# KiCad board modern-keyboard.kicad_pcb (continued)
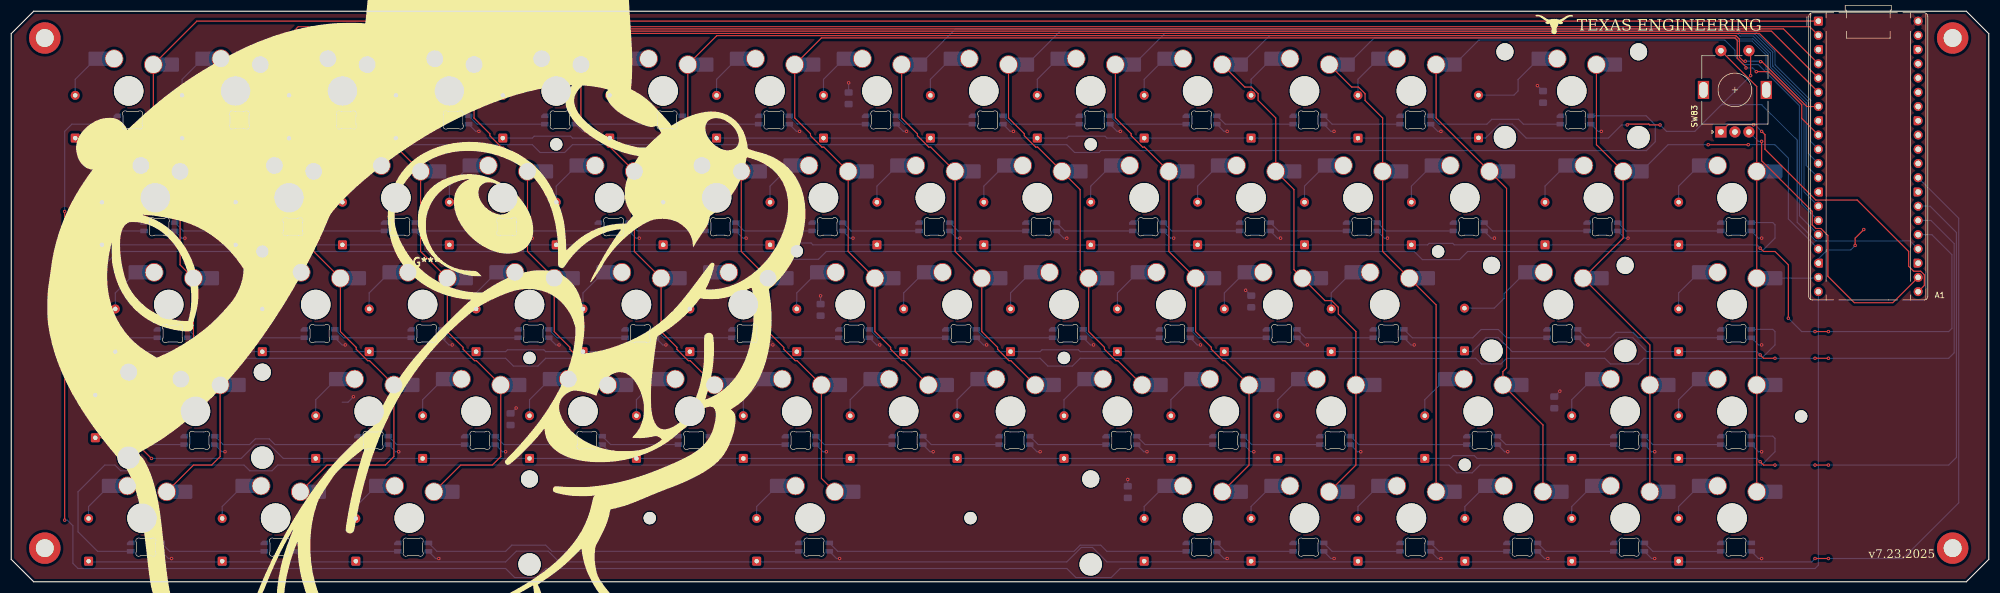
[diagram p0: board, top side]
## Nets
+3V3: A1.37
+5V: A1.40 C1.1 C2.1 C3.1 C4.1 C5.1 C6.1 C7.1 C8.1 LED1.1 LED2.1 LED3.1 LED4.1 LED5.1 LED6.1 LED7.1 LED8.1 LED9.1 LED10.1 LED11.1 LED12.1 LED13.1 LED14.1 LED15.1 LED16.1 LED17.1 LED18.1 LED19.1 LED20.1 LED21.1 LED22.1 LED23.1 LED24.1 LED25.1 LED26.1 LED27.1 LED28.1 LED29.1 LED30.1 LED31.1 LED32.1 LED33.1 LED34.1 LED35.1 LED36.1 LED37.1 LED38.1 LED39.1 LED40.1 LED41.1 LED42.1 LED43.1 LED44.1 LED45.1 LED46.1 LED47.1 LED48.1 LED49.1 LED50.1 LED51.1 LED52.1 LED53.1 LED54.1 LED55.1 LED56.1 LED57.1 LED58.1 LED59.1 LED60.1 LED61.1 LED62.1 LED63.1 LED64.1 LED65.1 LED66.1 LED67.1
GND: A1.3 A1.8 A1.13 A1.18 A1.23 A1.28 A1.38 C1.2 C2.2 C3.2 C4.2 C5.2 C6.2 C7.2 C8.2 LED1.4 LED2.4 LED3.4 LED4.4 LED5.4 LED6.4 LED7.4 LED8.4 LED9.4 LED10.4 LED11.4 LED12.4 LED13.4 LED14.4 LED15.4 LED16.4 LED17.4 LED18.4 LED19.4 LED20.4 LED21.4 LED22.4 LED23.4 LED24.4 LED25.4 LED26.4 LED27.4 LED28.4 LED29.4 LED30.4 LED31.4 LED32.4 LED33.4 LED34.4 LED35.4 LED36.4 LED37.4 LED38.4 LED39.4 LED40.4 LED41.4 LED42.4 LED43.4 LED44.4 LED45.4 LED46.4 LED47.4 LED48.4 LED49.4 LED50.4 LED51.4 LED52.4 LED53.4 LED54.4 LED55.4 LED56.4 LED57.4 LED58.4 LED59.4 LED60.4 LED61.4 LED62.4 LED63.4 LED64.4 LED65.4 LED66.4 LED67.4 SW83.C
Col 0: A1.1 SW1.1 SW15.1 SW30.1 SW44.1 SW58.1
Col 1: A1.2 SW2.1 SW16.1 SW31.1 SW45.1 SW59.1
Col 2: A1.4 SW3.1 SW17.1 SW32.1 SW46.1 SW60.1
Col 3: A1.5 SW4.1 SW18.1 SW33.1 SW47.1
Col 4: A1.6 SW5.1 SW19.1 SW34.1 SW48.1
Col 5: A1.7 SW6.1 SW20.1 SW35.1 SW49.1 SW61.1
Col 6: A1.9 SW7.1 SW21.1 SW36.1 SW50.1
Col 7: A1.10 SW8.1 SW22.1 SW37.1 SW51.1
Col 8: A1.11 SW9.1 SW23.1 SW38.1 SW52.1
Col 9: A1.12 SW10.1 SW24.1 SW39.1 SW53.1 SW62.1
Col 10: A1.14 SW11.1 SW25.1 SW40.1 SW54.1 SW63.1
Col 11: A1.15 SW12.1 SW26.1 SW41.1 SW64.1
Col 12: A1.16 SW13.1 SW27.1 SW55.1 SW65.1
Col 13: A1.17 SW14.1 SW28.1 SW42.1 SW56.1 SW66.1
Col 14: A1.19 SW29.1 SW43.1 SW57.1 SW67.1 SW83.S2
EC1A: A1.21 SW83.A
EC1B: A1.22 SW83.B
RGB: A1.20 LED1.3
Row 0: A1.24 D1.1 D2.1 D3.1 D4.1 D5.1 D6.1 D7.1 D8.1 D9.1 D10.1 D11.1 D12.1 D13.1 D14.1 SW83.S1
Row 1: A1.25 D15.1 D16.1 D17.1 D18.1 D19.1 D20.1 D21.1 D22.1 D23.1 D24.1 D25.1 D26.1 D27.1 D28.1 D29.1
Row 2: A1.26 D30.1 D31.1 D32.1 D33.1 D34.1 D35.1 D36.1 D37.1 D38.1 D39.1 D40.1 D41.1 D42.1 D43.1
Row 3: A1.27 D44.1 D45.1 D46.1 D47.1 D48.1 D49.1 D50.1 D51.1 D52.1 D53.1 D54.1 D55.1 D56.1 D57.1
Row 4: A1.29 D58.1 D59.1 D60.1 D61.1 D62.1 D63.1 D64.1 D65.1 D66.1 D67.1
Net-(D1-A): D1.2 SW1.2
Net-(D2-A): D2.2 SW2.2
Net-(D3-A): D3.2 SW3.2
Net-(D4-A): D4.2 SW4.2
Net-(D5-A): D5.2 SW5.2
Net-(D6-A): D6.2 SW6.2
Net-(D7-A): D7.2 SW7.2
Net-(D8-A): D8.2 SW8.2
Net-(D9-A): D9.2 SW9.2
Net-(D10-A): D10.2 SW10.2
Net-(D11-A): D11.2 SW11.2
Net-(D12-A): D12.2 SW12.2
Net-(D13-A): D13.2 SW13.2
Net-(D14-A): D14.2 SW14.2
Net-(D15-A): D15.2 SW15.2
Net-(D16-A): D16.2 SW16.2
Net-(D17-A): D17.2 SW17.2
Net-(D18-A): D18.2 SW18.2
Net-(D19-A): D19.2 SW19.2
Net-(D20-A): D20.2 SW20.2
Net-(D21-A): D21.2 SW21.2
Net-(D22-A): D22.2 SW22.2
Net-(D23-A): D23.2 SW23.2
Net-(D24-A): D24.2 SW24.2
Net-(D25-A): D25.2 SW25.2
Net-(D26-A): D26.2 SW26.2
Net-(D27-A): D27.2 SW27.2
Net-(D28-A): D28.2 SW28.2
Net-(D29-A): D29.2 SW29.2
Net-(D30-A): D30.2 SW30.2
Net-(D31-A): D31.2 SW31.2
Net-(D32-A): D32.2 SW32.2
Net-(D33-A): D33.2 SW33.2
Net-(D34-A): D34.2 SW34.2
Net-(D35-A): D35.2 SW35.2
Net-(D36-A): D36.2 SW36.2
Net-(D37-A): D37.2 SW37.2
Net-(D38-A): D38.2 SW38.2
Net-(D39-A): D39.2 SW39.2
Net-(D40-A): D40.2 SW40.2
Net-(D41-A): D41.2 SW41.2
Net-(D42-A): D42.2 SW42.2
Net-(D43-A): D43.2 SW43.2
Net-(D44-A): D44.2 SW44.2
Net-(D45-A): D45.2 SW45.2
Net-(D46-A): D46.2 SW46.2
Net-(D47-A): D47.2 SW47.2
Net-(D48-A): D48.2 SW48.2
Net-(D49-A): D49.2 SW49.2
Net-(D50-A): D50.2 SW50.2
Net-(D51-A): D51.2 SW51.2
Net-(D52-A): D52.2 SW52.2
Net-(D53-A): D53.2 SW53.2
Net-(D54-A): D54.2 SW54.2
Net-(D55-A): D55.2 SW55.2
Net-(D56-A): D56.2 SW56.2
Net-(D57-A): D57.2 SW57.2
Net-(D58-A): D58.2 SW58.2
Net-(D59-A): D59.2 SW59.2
Net-(D60-A): D60.2 SW60.2
Net-(D61-A): D61.2 SW61.2
Net-(D62-A): D62.2 SW62.2
Net-(D63-A): D63.2 SW63.2
Net-(D64-A): D64.2 SW64.2
Net-(D65-A): D65.2 SW65.2
Net-(D66-A): D66.2 SW66.2
Net-(D67-A): D67.2 SW67.2
Net-(LED1-DOUT): LED1.2 LED2.3
Net-(LED2-DOUT): LED2.2 LED3.3
Net-(LED3-DOUT): LED3.2 LED4.3
Net-(LED4-DOUT): LED4.2 LED5.3
Net-(LED5-DOUT): LED5.2 LED6.3
Net-(LED6-DOUT): LED6.2 LED7.3
Net-(LED7-DOUT): LED7.2 LED8.3
Net-(LED8-DOUT): LED8.2 LED9.3
Net-(LED10-DIN): LED9.2 LED10.3
Net-(LED10-DOUT): LED10.2 LED11.3
Net-(LED11-DOUT): LED11.2 LED12.3
Net-(LED12-DOUT): LED12.2 LED13.3
Net-(LED13-DOUT): LED13.2 LED14.3
Net-(LED14-DOUT): LED14.2 LED15.3
Net-(LED15-DOUT): LED15.2 LED16.3
Net-(LED16-DOUT): LED16.2 LED17.3
Net-(LED17-DOUT): LED17.2 LED18.3
Net-(LED18-DOUT): LED18.2 LED19.3
Net-(LED19-DOUT): LED19.2 LED20.3
Net-(LED20-DOUT): LED20.2 LED21.3
Net-(LED21-DOUT): LED21.2 LED22.3
Net-(LED22-DOUT): LED22.2 LED23.3
Net-(LED23-DOUT): LED23.2 LED24.3
Net-(LED24-DOUT): LED24.2 LED25.3
Net-(LED25-DOUT): LED25.2 LED26.3
Net-(LED26-DOUT): LED26.2 LED27.3
Net-(LED27-DOUT): LED27.2 LED28.3
Net-(LED28-DOUT): LED28.2 LED29.3
Net-(LED29-DOUT): LED29.2 LED30.3
Net-(LED30-DOUT): LED30.2 LED31.3
Net-(LED31-DOUT): LED31.2 LED32.3
Net-(LED32-DOUT): LED32.2 LED33.3
Net-(LED33-DOUT): LED33.2 LED34.3
Net-(LED34-DOUT): LED34.2 LED35.3
Net-(LED35-DOUT): LED35.2 LED36.3
Net-(LED36-DOUT): LED36.2 LED37.3
Net-(LED37-DOUT): LED37.2 LED38.3
Net-(LED38-DOUT): LED38.2 LED39.3
Net-(LED39-DOUT): LED39.2 LED40.3
Net-(LED40-DOUT): LED40.2 LED41.3
Net-(LED41-DOUT): LED41.2 LED42.3
Net-(LED42-DOUT): LED42.2 LED43.3
Net-(LED43-DOUT): LED43.2 LED44.3
Net-(LED44-DOUT): LED44.2 LED45.3
Net-(LED45-DOUT): LED45.2 LED46.3
Net-(LED46-DOUT): LED46.2 LED47.3
Net-(LED47-DOUT): LED47.2 LED48.3
Net-(LED48-DOUT): LED48.2 LED49.3
Net-(LED49-DOUT): LED49.2 LED50.3
Net-(LED50-DOUT): LED50.2 LED51.3
Net-(LED51-DOUT): LED51.2 LED52.3
Net-(LED52-DOUT): LED52.2 LED53.3
Net-(LED53-DOUT): LED53.2 LED54.3
Net-(LED54-DOUT): LED54.2 LED55.3
Net-(LED55-DOUT): LED55.2 LED56.3
Net-(LED56-DOUT): LED56.2 LED57.3
Net-(LED57-DOUT): LED57.2 LED58.3
Net-(LED58-DOUT): LED58.2 LED59.3
Net-(LED59-DOUT): LED59.2 LED60.3
Net-(LED60-DOUT): LED60.2 LED61.3
Net-(LED61-DOUT): LED61.2 LED62.3
Net-(LED62-DOUT): LED62.2 LED63.3
Net-(LED63-DOUT): LED63.2 LED64.3
Net-(LED64-DOUT): LED64.2 LED65.3
Net-(LED65-DOUT): LED65.2 LED66.3
Net-(LED66-DOUT): LED66.2 LED67.3

Pads without a net: A1 30 31 32 33 34 35 36 39; LED67 2; REF**#3 1; REF**#9 1; REF**#12 1; REF**#15 1; SW83 MP

## Via types
v1: diameter 0.6, hole 0.3, Top to Bottom, 107 vias

## Routing (per net, layer and track width the routed paths; a pad name or vN(x,y) marks a point on that pad's centre or on a via; arc(x,y) is an arc through that point)
+5V: length 172.8
  Bottom w0.2: v1(226.22,61.3) 225.66,61.3 LED25.1 ; v1(43.99,69) 44.95,68.04 C1.1 ; LED37.1 173.27,42.25 v1(173.83,42.25) ; C6.1 275.03,33.04 v1(275.99,34) ; LED17.1 73.26,61.3 v1(73.82,61.3) ; LED22.1 168.5,61.3 v1(169.07,61.3) ; 58.99,32.04 60.02,32.04 v1(60.99,33) ; v1(130.97,61.3) 130.4,61.3 LED20.1 ; v1(159.54,80.35) 158.98,80.35 LED8.1 ; LED47.1 106.59,23.2 v1(107.16,23.2) ; v1(254.79,4.15) 254.23,4.15 LED64.1 ; LED16.1 54.2,61.3 v1(54.77,61.3) ; v1(292.89,4.15) 292.33,4.15 LED66.1 ; LED2.1 44.68,80.35 v1(45.24,80.35) ; v1(59.53,42.25) 58.97,42.25 LED31.1 ; v1(111.92,61.3) 111.36,61.3 LED19.1 ; v1(183.36,23.2) 182.79,23.2 181.51,24.48 ; v1(145.26,23.2) 144.69,23.2 LED49.1 ; v1(121.44,80.35) 120.88,80.35 LED6.1 ; v1(197.64,80.35) 197.08,80.35 LED10.1 ; v1(88.11,23.2) 87.54,23.2 LED46.1 ; v1(30.96,61.3) 30.39,61.3 LED15.1 ; LED1.1 25.63,80.35 v1(26.19,80.35) ; LED56.1 292.33,23.2 v1(292.89,23.2) ; LED21.1 149.45,61.3 v1(150.02,61.3) ; v1(250.03,42.25) 249.47,42.25 LED41.1 ; v1(126.21,23.2) 125.64,23.2 LED48.1 ; LED30.1 32.77,42.25 v1(33.34,42.25) ; LED45.1 68.49,23.2 v1(69.06,23.2) ; v1(164.31,23.2) 163.74,23.2 LED50.1 ; LED38.1 192.32,42.25 v1(192.88,42.25) ; v1(230.98,42.25) 230.42,42.25 LED40.1 ; v1(154.78,42.25) 154.22,42.25 LED36.1 ; v1(38.1,23.2) 37.54,23.2 LED44.1 ; v1(311.94,61.3) 311.38,61.3 LED29.1 ; v1(266.7,23.2) 266.14,23.2 LED55.1 ; LED59.1 51.82,4.15 v1(52.39,4.15) ; LED43.1 311.38,42.25 v1(311.94,42.25) ; v1(92.87,61.3) 92.3,61.3 LED18.1 ; LED52.1 201.84,23.2 v1(202.41,23.2) ; v1(216.69,4.15) 216.13,4.15 LED62.1 ; LED4.1 82.78,80.35 v1(83.34,80.35) ; v1(271.99,88.5) 272.95,87.54 C3.1 ; v1(116.68,42.25) 116.12,42.25 LED34.1 ; LED13.1 254.23,80.35 v1(254.79,80.35) ; v1(140.49,80.35) 139.93,80.35 LED7.1 ; LED61.1 147.07,4.15 v1(147.64,4.15) ; LED33.1 97.07,42.25 v1(97.63,42.25) ; v1(235.74,80.35) 235.18,80.35 LED12.1 ; C7.1 v1(198.99,18.25) ; LED14.1 282.81,80.35 v1(283.37,80.35) ; v1(78.58,42.25) 78.02,42.25 LED32.1 ; LED28.1 287.57,61.3 v1(288.13,61.3) ; LED57.1 311.38,23.2 v1(311.94,23.2) ; LED24.1 206.61,61.3 v1(207.17,61.3) ; v1(178.59,80.35) 178.03,80.35 LED9.1 ; v1(273.84,4.15) 273.28,4.15 LED65.1 ; v1(188.12,61.3) 187.56,61.3 LED23.1 ; LED11.1 216.13,80.35 v1(216.69,80.35) ; LED60.1 75.64,4.15 v1(76.2,4.15) ; LED53.1 220.89,23.2 v1(221.46,23.2) ; v1(102.39,80.35) 101.83,80.35 LED5.1 ; v1(219.99,52) 220.95,51.04 C2.1 ; LED58.1 28.01,4.15 v1(28.58,4.15) ; LED42.1 280.42,42.25 v1(280.99,42.25) ; v1(135.73,42.25) 135.17,42.25 LED35.1 ; LED63.1 235.18,4.15 v1(235.74,4.15) ; LED3.1 63.73,80.35 v1(64.29,80.35) ; C5.1 89.02,30.04 v1(89.99,31) ; LED27.1 263.75,61.3 v1(264.32,61.3) ; C4.1 v1(144.24,51) ; LED67.1 311.38,4.15 v1(311.94,4.15) ; v1(245.27,61.3) 244.7,61.3 LED26.1 ; LED54.1 239.94,23.2 v1(240.51,23.2) ; C8.1 v1(149.24,89) ; LED39.1 211.37,42.25 v1(211.93,42.25)
GND: length 11.8
  Top w0.2: v1(328.61,60) 328.61,61.3 v1(330.15,62.84)
  Bottom w0.2: v1(328.61,60) 327.8,59.19 323.6,59.19 322.06,57.64 A1.18
Col 0: length 386.9
  Top w0.2: SW58.1 32.47,20.82 35.72,20.82 37.24,22.34 SW44.1 32.47,39.87 SW30.1 30.09,56.54 SW15.1 25.33,77.97 SW1.1 33.09,100.02 A1.1
Col 1: length 380.6
  Top w0.2: SW59.1 56.29,20.82 66.67,20.82 68.19,22.34 SW45.1 63.86,39.44 63.52,39.44 61.48,41.48 61.48,41.82 58.67,44.63 SW31.1 53.9,58.92 SW16.1 49.57,77.54 49.23,77.54 47.19,79.58 47.19,79.92 44.38,82.73 SW2.1 51.15,99.03 320.51,99.03 A1.2
Col 2: length 358.5
  Top w0.2: SW60.1 80.1,20.82 85.73,20.82 87.24,22.34 SW46.1 82.91,39.44 82.57,39.44 80.53,41.48 80.53,41.82 77.72,44.63 SW32.1 72.95,58.92 SW17.1 68.62,77.54 68.28,77.54 66.24,79.58 66.24,79.92 63.43,82.73 SW3.1 69.8,98.62 315.83,98.62 A1.4
Col 3: length 312.9
  Top w0.2: A1.5 313.69,98.22 88.45,98.22 SW4.1 82.48,82.73 85.29,79.92 85.29,79.58 87.33,77.54 87.67,77.54 SW18.1 92.01,58.92 SW33.1 96.77,44.63 99.58,41.82 99.58,41.48 101.62,39.44 101.96,39.44 SW47.1
Col 4: length 294.6
  Top w0.2: A1.6 311.55,97.82 107.09,97.82 SW5.1 101.53,82.73 104.34,79.92 104.34,79.58 106.38,77.54 106.72,77.54 SW19.1 111.05,58.92 SW34.1 115.82,44.63 118.63,41.82 118.63,41.48 120.67,39.44 121.01,39.44 SW48.1
Col 5: length 298.3
  Top w0.2: v1(311.77,92.78) 311.98,92.78 319.99,84.78 A1.7 ; v1(309.03,92.86) 308.99,92.81 308.99,92.78 308.77,92.78 307.99,93.56 307.99,96.77 307.35,97.42 125.74,97.42 SW6.1 120.58,82.73 123.39,79.92 123.39,79.58 125.43,77.54 125.77,77.54 SW20.1 130.11,58.92 SW35.1 134.87,44.63 137.68,41.82 137.68,41.48 139.72,39.44 140.06,39.44 SW49.1 144.39,18.44 SW61.1
  Bottom w0.2: v1(309.03,92.86) 311.7,92.86 v1(311.77,92.78)
Col 6: length 262.4
  Top w0.2: A1.9 319.09,82.67 319.09,85.11 313.2,91 v1(310.99,91) ; SW50.1 159.11,39.44 158.77,39.44 156.73,41.48 156.73,41.82 153.92,44.63 SW36.1 149.15,58.92 SW21.1 144.82,77.54 144.48,77.54 142.44,79.58 142.44,79.92 139.63,82.73 SW7.1 144.39,97.02 307.18,97.02 307.59,96.61 307.59,93.4 309.16,91.83 v1(309.16,91.66)
  Bottom w0.2: v1(309.16,91.66) 310.33,91.66 v1(310.99,91)
Col 7: length 244.8
  Top w0.2: SW51.1 178.16,39.44 177.82,39.44 175.78,41.48 175.78,41.82 172.97,44.63 SW37.1 168.2,58.92 SW22.1 163.87,77.54 163.53,77.54 161.49,79.58 161.49,79.92 158.68,82.73 SW8.1
  Bottom w0.2: SW8.1 168.29,98.62 307.96,98.62 308.45,98.13 310.83,98.13 314.32,94.64 314.32,92.26 320.69,85.89 320.69,78.52 A1.10
Col 8: length 227.6
  Top w0.2: SW9.1 177.73,82.73 180.54,79.92 180.54,79.58 182.58,77.54 182.92,77.54 SW23.1 190.5,69.96 190.5,55.68 SW38.1 192.02,44.63 194.83,41.82 194.83,41.48 196.87,39.44 197.21,39.44 201.54,35.11
  Bottom w0.2: SW9.1 186.94,98.22 307.68,98.22 307.77,98.13 307.88,98.13 308.29,97.73 310.67,97.73 313.92,94.47 313.92,91.98 320.29,85.61 320.29,76.39 A1.11
Col 9: length 231.5
  Top w0.2: SW62.1 220.59,20.82 SW53.1 216.26,39.44 215.92,39.44 213.88,41.48 213.88,41.82 211.07,44.63 SW39.1 206.31,58.92 SW24.1 201.97,77.54 201.63,77.54 199.59,79.58 199.59,79.92 196.78,82.73 SW10.1
  Bottom w0.2: A1.12 319.89,74.25 319.89,85.45 313.52,91.81 313.52,94.31 310.5,97.33 308.12,97.33 307.72,97.73 307.61,97.73 307.51,97.82 205.59,97.82 SW10.1
Col 10: length 217.8
  Top w0.2: SW63.1 239.64,20.82 SW54.1 239.64,44.63 236.5,47.77 236.5,48.97 235.32,50.15 234.12,50.15 SW40.1 228.6,55.68 228.6,69.96 SW25.1 225.36,82.73 222.22,85.87 222.22,87.07 221.03,88.25 219.83,88.25 SW11.1
  Bottom w0.2: A1.14 319.49,69.57 319.49,85.28 313.12,91.65 313.12,94.14 310.4,96.86 307.91,96.86 307.35,97.42 224.24,97.42 SW11.1
Col 11: length 196
  Top w0.2: SW64.1 253.93,49.4 SW41.1 244.41,58.92 SW26.1 244.41,82.73 241.26,85.87 241.26,87.07 240.08,88.25 238.88,88.25 SW12.1
  Bottom w0.2: A1.15 319.09,67.43 319.09,85.11 312.72,91.48 312.72,93.97 310.24,96.46 307.74,96.46 307.18,97.02 242.89,97.02 SW12.1
Col 12: length 177.8
  Top w0.2: SW13.1 253.93,82.73 SW27.1 266.49,70.18 266.49,38.14 265.84,37.49 SW55.1 272.98,27.96 SW65.1
  Bottom w0.2: SW13.1 261.54,96.62 305.37,96.62 307.18,94.81 307.18,93.83 308.76,92.26 311.38,92.26 318.69,84.95 318.69,65.29 A1.16
Col 13: length 133.6
  Top w0.2: SW66.1 SW56.1 292.03,42.25 SW42.1 287.27,61.3 SW28.1 282.5,77.97 SW14.1 ; v1(302.42,77.97) v1(309.56,77.97)
  Bottom w0.2: A1.17 316.71,64.73 316.71,75.59 314.32,77.97 v1(309.56,77.97) ; SW28.1 295.28,77.97 v1(302.42,77.97)
Col 14: length 89.1
  Top w0.2: SW83.S2 311.08,88.35 SW29.1 SW43.1 SW57.1 SW67.1
  Bottom w0.2: SW43.1 321.92,54.16 A1.19
EC1A: length 54.4
  Top w0.2: A1.21 340.94,52.86 340.94,54.75 340.29,55.4 339.04,55.4 338.15,56.29 338.15,58.93 328.98,68.1 321.6,68.1 312.54,77.16 312.54,79.75 v1(311.94,80.35) ; SW83.A 305.98,81.55 310.45,81.55 v1(310.48,81.51)
  Bottom w0.2: v1(310.48,81.51) 310.78,81.51 v1(311.94,80.35)
EC1B: length 52.4
  Top w0.2: v1(311.94,78.57) 311.94,75.1 320.96,66.09 320.96,63.66 321.6,63.02 322.51,63.02 323.75,61.79 323.75,54.51 328.47,49.79 335.33,49.79 A1.22
  Bottom w0.2: SW83.B 311.36,78.57 v1(311.94,78.57)
RGB: length 451
  Top w0.2: v1(9.52,11) v1(9.52,66.06)
  Bottom w0.2: A1.20 322.06,2.96 321.47,2.37 197.64,2.37 196.03,0.76 189.73,0.76 188.12,2.37 95.25,2.37 93.64,0.76 89.72,0.76 88.11,2.37 11.91,2.37 10.99,3.29 10.99,10 9.99,11 v1(9.52,11) ; LED1.3 10.8,81.63 9.52,80.35 v1(9.52,66.06)
Row 0: length 365.7
  Top w0.2: SW83.S1 309.98,94.45 v1(309.98,90.29) ; v1(287.99,81.5) 288.13,81.65 291.84,81.65 291.99,81.5 v1(293.84,81.5)
  Bottom w0.2: 304.8,85.11 311.94,85.11 318.29,78.77 318.29,64.13 321.6,60.82 338.4,60.82 A1.24 ; 304.8,85.11 300.04,80.35 294.99,80.35 v1(293.84,81.5) ; 304.8,85.11 v1(309.98,90.29) ; D1.1 D2.1 D3.1 D4.1 92.87,79.15 93.2,79.48 99.68,79.48 100.01,79.15 188.12,79.15 188.45,79.48 194.93,79.48 195.26,79.15 262.73,79.15 265.23,81.65 267.49,81.65 269.99,79.15 284.64,79.15 286.99,81.5 v1(287.99,81.5)
Row 1: length 363.7
  Top w0.2: v1(311.68,59.52) 312.28,58.92 314.32,58.92 316.71,56.54 v1(316.71,47.01) ; v1(321.46,44.63) v1(323.85,44.63)
  Bottom w0.2: D15.1 D16.1 42.86,60.1 43.13,60.37 47.36,60.37 47.62,60.1 D17.1 D18.1 D19.1 D20.1 D21.1 138.11,60.1 138.44,60.43 142.54,60.43 142.88,60.1 D22.1 D23.1 D24.1 D25.1 D26.1 D27.1 252.41,60.1 252.68,60.37 256.91,60.37 257.18,60.1 D28.1 D29.1 311.1,60.1 v1(311.68,59.52) ; v1(323.85,44.63) 345.28,44.63 345.86,45.21 345.86,58.34 342.28,61.92 A1.25 ; v1(321.46,44.63) 321.66,44.63 319.09,44.63 v1(316.71,47.01)
Row 2: length 361
  Top w0.2: v1(311.68,40.47) 312.28,39.87 v1(314.32,39.87) ; v1(321.46,39.87) v1(323.85,39.87)
  Bottom w0.2: v1(311.68,40.47) 311.1,41.05 D43.1 291.49,41.05 288.99,43.55 286.48,43.55 283.99,41.05 267.49,41.05 264.99,43.55 262.85,43.55 260.49,41.19 260.49,41.05 D41.1 D40.1 D39.1 190.5,41.05 190.17,41.38 183.69,41.38 183.36,41.05 D38.1 D37.1 D36.1 D35.1 D34.1 95.25,41.05 94.92,41.38 88.44,41.38 88.11,41.05 D33.1 D32.1 D31.1 D30.1 ; v1(314.32,39.87) v1(321.46,39.87) ; A1.26 342.12,64.46 346.26,60.32 346.26,40.85 345.28,39.87 v1(323.85,39.87)
Row 3: length 385.6
  Top w0.2: v1(314.32,20.82) 312.28,20.82 v1(311.68,21.42) ; v1(321.46,20.82) v1(323.85,20.82) ; v1(24.99,22) 21.3,25.69 D44.1
  Bottom w0.2: v1(311.68,21.42) 311.1,22 D57.1 261.24,22 260.74,22.5 256.99,22.5 256.49,22 D48.1 D47.1 D46.1 D45.1 48.49,22 45.99,24.5 43.48,24.5 40.99,22 v1(24.99,22) ; v1(314.32,20.82) v1(321.46,20.82) ; v1(323.85,20.82) 345.28,20.82 346.66,22.2 346.66,62.3 341.97,67 A1.27
Row 4: length 402.5
  Top w0.2: v1(321.46,4.15) v1(323.85,4.15)
  Bottom w0.2: D58.1 13.91,3.55 88.11,3.55 90,5.45 95.73,5.45 97.63,3.55 188.12,3.55 190.7,6.13 192.68,6.13 195.26,3.55 297.03,3.55 D67.1 297.28,3.55 320.86,3.55 v1(321.46,4.15) ; v1(323.85,4.15) 337.14,4.15 347.06,14.08 347.06,64.85 A1.29
Net-(D1-A): length 8.1
  Bottom w0.2: D1.2 11.41,89.63 SW1.2
Net-(D2-A): length 8.1
  Bottom w0.2: D2.2 30.45,89.63 SW2.2
Net-(D3-A): length 8.1
  Bottom w0.2: D3.2 49.51,89.63 SW3.2
Net-(D4-A): length 8.1
  Bottom w0.2: D4.2 68.55,89.63 SW4.2
Net-(D5-A): length 8.1
  Bottom w0.2: SW5.2 87.61,89.63 D5.2
Net-(D6-A): length 8.1
  Bottom w0.2: D6.2 106.65,89.63 SW6.2
Net-(D7-A): length 8.1
  Bottom w0.2: D7.2 125.7,89.63 SW7.2
Net-(D8-A): length 8.1
  Bottom w0.2: SW8.2 144.75,89.63 D8.2
Net-(D9-A): length 8.1
  Bottom w0.2: D9.2 163.81,89.63 SW9.2
Net-(D10-A): length 8.1
  Bottom w0.2: D10.2 182.86,89.63 SW10.2
Net-(D11-A): length 8.1
  Bottom w0.2: SW11.2 201.91,89.63 D11.2
Net-(D12-A): length 8.1
  Bottom w0.2: D12.2 220.95,89.63 SW12.2
Net-(D13-A): length 8.1
  Bottom w0.2: SW13.2 240,89.63 D13.2
Net-(D14-A): length 14.7
  Bottom w0.2: SW14.2 268.54,89.59 268.54,87.55 267.8,86.81 D14.2
Net-(D15-A): length 8.1
  Bottom w0.2: D15.2 16.17,70.58 SW15.2
Net-(D16-A): length 8.1
  Bottom w0.2: SW16.2 39.98,70.58 D16.2
Net-(D17-A): length 8.1
  Bottom w0.2: SW17.2 59.03,70.58 D17.2
Net-(D18-A): length 8.1
  Bottom w0.2: D18.2 78.08,70.58 SW18.2
Net-(D19-A): length 8.1
  Bottom w0.2: D19.2 97.13,70.58 SW19.2
Net-(D20-A): length 8.1
  Bottom w0.2: D20.2 116.18,70.58 SW20.2
Net-(D21-A): length 8.1
  Bottom w0.2: D21.2 135.23,70.58 SW21.2
Net-(D22-A): length 8.1
  Bottom w0.2: SW22.2 154.28,70.58 D22.2
Net-(D23-A): length 8.1
  Bottom w0.2: SW23.2 173.33,70.58 D23.2
Net-(D24-A): length 8.1
  Bottom w0.2: D24.2 192.38,70.58 SW24.2
Net-(D25-A): length 8.1
  Bottom w0.2: D25.2 211.43,70.58 SW25.2
Net-(D26-A): length 8.1
  Bottom w0.2: SW26.2 230.48,70.58 D26.2
Net-(D27-A): length 8.1
  Bottom w0.2: SW27.2 249.53,70.58 D27.2
Net-(D28-A): length 8.1
  Bottom w0.2: 277.02,74.26 273.34,70.58 D28.2
Net-(D29-A): length 8.1
  Bottom w0.2: SW29.2 297.16,70.58 D29.2
Net-(D30-A): length 8.1
  Bottom w0.2: D30.2 18.55,51.53 SW30.2
Net-(D31-A): length 8.1
  Bottom w0.2: D31.2 44.74,51.53 SW31.2
Net-(D32-A): length 8.1
  Bottom w0.2: SW32.2 63.79,51.53 D32.2
Net-(D33-A): length 8.1
  Bottom w0.2: SW33.2 82.84,51.53 D33.2
Net-(D34-A): length 8.1
  Bottom w0.2: SW34.2 101.89,51.53 D34.2
Net-(D35-A): length 8.1
  Bottom w0.2: D35.2 120.94,51.53 SW35.2
Net-(D36-A): length 8.1
  Bottom w0.2: D36.2 139.99,51.53 SW36.2
Net-(D37-A): length 8.1
  Bottom w0.2: 162.72,55.21 159.04,51.53 D37.2
Net-(D38-A): length 8.1
  Bottom w0.2: SW38.2 178.09,51.53 D38.2
Net-(D39-A): length 8.1
  Bottom w0.2: D39.2 197.14,51.53 SW39.2
Net-(D40-A): length 8.1
  Bottom w0.2: D40.2 216.19,51.53 SW40.2
Net-(D41-A): length 8.1
  Bottom w0.2: D41.2 235.24,51.53 238.92,55.21
Net-(D42-A): length 14
  Bottom w0.2: D42.2 264.3,48.81 266.06,50.57 266.06,51.39 SW42.2
Net-(D43-A): length 8.1
  Bottom w0.2: D43.2 297.16,51.53 SW43.2
Net-(D44-A): length 16.4
  Top w0.2: D44.2 27.39,33.31 SW44.2
Net-(D45-A): length 8.1
  Bottom w0.2: D45.2 54.27,32.48 SW45.2
Net-(D46-A): length 8.1
  Bottom w0.2: SW46.2 73.32,32.48 D46.2
Net-(D47-A): length 8.1
  Bottom w0.2: SW47.2 92.37,32.48 D47.2
Net-(D48-A): length 8.1
  Bottom w0.2: SW48.2 111.42,32.48 D48.2
Net-(D49-A): length 8.1
  Bottom w0.2: D49.2 130.47,32.48 SW49.2
Net-(D50-A): length 8.1
  Bottom w0.2: SW50.2 149.52,32.48 D50.2
Net-(D51-A): length 8.1
  Bottom w0.2: D51.2 168.57,32.48 SW51.2
Net-(D52-A): length 8.1
  Bottom w0.2: SW52.2 187.62,32.48 D52.2
Net-(D53-A): length 8.1
  Bottom w0.2: D53.2 206.67,32.48 SW53.2
Net-(D54-A): length 8.1
  Bottom w0.2: SW54.2 225.72,32.48 D54.2
Net-(D55-A): length 8.1
  Bottom w0.2: D55.2 251.91,32.48 SW55.2
Net-(D56-A): length 8.1
  Bottom w0.2: D56.2 278.11,32.48 SW56.2
Net-(D57-A): length 8.1
  Bottom w0.2: SW57.2 297.16,32.48 D57.2
Net-(D58-A): length 7.3
  Bottom w0.2: D58.2 13.79,13.43 SW58.2
Net-(D59-A): length 7.3
  Bottom w0.2: D59.2 37.6,13.43 SW59.2
Net-(D60-A): length 7.3
  Bottom w0.2: D60.2 61.41,13.43 SW60.2
Net-(D61-A): length 7.3
  Bottom w0.2: SW61.2 132.85,13.43 D61.2
Net-(D62-A): length 7.3
  Bottom w0.2: SW62.2 201.91,13.43 D62.2
Net-(D63-A): length 7.3
  Bottom w0.2: SW63.2 220.95,13.43 D63.2
Net-(D64-A): length 7.3
  Bottom w0.2: SW64.2 240,13.43 D64.2
Net-(D65-A): length 7.3
  Bottom w0.2: D65.2 259.06,13.43 SW65.2
Net-(D66-A): length 7.3
  Bottom w0.2: D66.2 278.11,13.43 SW66.2
Net-(D67-A): length 8.1
  Bottom w0.2: 297.16,10.57 297.16,13.43 SW67.2
Net-(LED1-DOUT): length 14.2
  Bottom w0.2: LED2.3 25.85,81.63 LED1.2
Net-(LED2-DOUT): length 14.2
  Bottom w0.2: LED2.2 44.9,81.63 LED3.3
Net-(LED3-DOUT): length 14.2
  Bottom w0.2: LED4.3 63.95,81.63 LED3.2
Net-(LED4-DOUT): length 14.2
  Bottom w0.2: LED4.2 83,81.63 LED5.3
Net-(LED5-DOUT): length 14.2
  Bottom w0.2: LED6.3 102.05,81.63 LED5.2
Net-(LED6-DOUT): length 14.2
  Bottom w0.2: LED6.2 121.1,81.63 LED7.3
Net-(LED7-DOUT): length 14.2
  Bottom w0.2: LED7.2 140.15,81.63 LED8.3
Net-(LED8-DOUT): length 14.2
  Bottom w0.2: LED9.3 159.2,81.63 LED8.2
Net-(LED10-DIN): length 14.2
  Bottom w0.2: LED10.3 178.25,81.63 LED9.2
Net-(LED10-DOUT): length 14.2
  Bottom w0.2: LED11.3 197.3,81.63 LED10.2
Net-(LED11-DOUT): length 14.2
  Bottom w0.2: LED11.2 216.35,81.63 LED12.3
Net-(LED12-DOUT): length 14.2
  Bottom w0.2: LED12.2 235.4,81.63 LED13.3
Net-(LED13-DOUT): length 24.5
  Bottom w0.2: LED14.3 269.49,81.63 268.62,82.5 263.86,82.5 262.99,81.63 254.45,81.63 LED13.2
Net-(LED14-DOUT): length 319.1
  Bottom w0.2: 291.45,76.92 291.41,76.92 ; 291.41,76.92 292.99,78.5 292.99,81.5 291.36,83.13 LED14.2 ; 291.41,76.92 194.21,76.92 193.87,76.58 189.51,76.58 188.12,77.97 100.01,77.97 98.62,76.58 94.26,76.58 92.87,77.97 16.67,77.97 14.29,75.59 14.29,63.68 15.39,62.58 LED15.3
Net-(LED15-DOUT): length 19
  Bottom w0.2: LED15.2 30.61,62.58 LED16.3
Net-(LED16-DOUT): length 14.2
  Bottom w0.2: LED17.3 54.42,62.58 LED16.2
Net-(LED17-DOUT): length 14.2
  Bottom w0.2: LED17.2 73.48,62.58 LED18.3
Net-(LED18-DOUT): length 14.2
  Bottom w0.2: LED19.3 92.52,62.58 LED18.2
Net-(LED19-DOUT): length 14.2
  Bottom w0.2: LED20.3 111.58,62.58 LED19.2
Net-(LED20-DOUT): length 14.2
  Bottom w0.2: LED21.3 130.62,62.58 LED20.2
Net-(LED21-DOUT): length 14.2
  Bottom w0.2: LED21.2 149.68,62.58 LED22.3
Net-(LED22-DOUT): length 14.2
  Bottom w0.2: LED22.2 168.73,62.58 LED23.3
Net-(LED23-DOUT): length 14.2
  Bottom w0.2: LED23.2 187.78,62.58 LED24.3
Net-(LED24-DOUT): length 14.2
  Bottom w0.2: LED24.2 206.82,62.58 LED25.3
Net-(LED25-DOUT): length 14.2
  Bottom w0.2: LED26.3 225.88,62.58 LED25.2
Net-(LED26-DOUT): length 14.2
  Bottom w0.2: LED26.2 244.93,62.58 LED27.3
Net-(LED27-DOUT): length 19
  Bottom w0.2: LED27.2 263.98,62.58 LED28.3
Net-(LED28-DOUT): length 19
  Bottom w0.2: LED29.3 287.79,62.58 LED28.2
Net-(LED29-DOUT): length 331.7
  Bottom w0.2: LED30.3 17.77,43.53 16.67,44.63 16.67,56.54 19.05,58.92 40.48,58.92 41.93,57.47 48.56,57.47 50.01,58.92 135.73,58.92 137.12,57.53 143.87,57.53 145.26,58.92 250.03,58.92 251.48,57.47 258.11,57.47 259.56,58.92 311.94,58.92 314.32,61.3 314.32,63.68 313.93,64.08 LED29.2
Net-(LED30-DOUT): length 21.4
  Bottom w0.2: LED31.3 32.99,43.53 LED30.2
Net-(LED31-DOUT): length 14.2
  Bottom w0.2: LED31.2 59.19,43.53 LED32.3
Net-(LED32-DOUT): length 14.2
  Bottom w0.2: LED33.3 78.24,43.53 LED32.2
Net-(LED33-DOUT): length 14.2
  Bottom w0.2: LED34.3 97.29,43.53 LED33.2
Net-(LED34-DOUT): length 14.2
  Bottom w0.2: LED35.3 116.34,43.53 LED34.2
Net-(LED35-DOUT): length 14.2
  Bottom w0.2: LED35.2 135.39,43.53 LED36.3
Net-(LED36-DOUT): length 14.2
  Bottom w0.2: LED37.3 154.44,43.53 LED36.2
Net-(LED37-DOUT): length 14.2
  Bottom w0.2: LED37.2 173.49,43.53 LED38.3
Net-(LED38-DOUT): length 14.2
  Bottom w0.2: LED38.2 192.54,43.53 LED39.3
Net-(LED39-DOUT): length 14.2
  Bottom w0.2: LED39.2 211.59,43.53 LED40.3
Net-(LED40-DOUT): length 14.2
  Bottom w0.2: LED40.2 230.64,43.53 LED41.3
Net-(LED41-DOUT): length 27.3
  Bottom w0.2: LED41.2 249.69,43.53 260.49,43.53 261.96,45 265.02,45 266.49,43.53 LED42.3
Net-(LED42-DOUT): length 26.9
  Bottom w0.2: LED43.3 289.99,43.53 289.02,44.5 285.96,44.5 284.99,43.53 280.64,43.53 LED42.2
Net-(LED43-DOUT): length 337.7
  Bottom w0.2: LED44.3 22.99,24.48 21.97,25.5 20.01,25.5 18.99,24.48 17.77,24.48 16.67,25.58 16.67,37.49 19.05,39.87 88.11,39.87 89.49,38.48 93.86,38.48 95.25,39.87 183.36,39.87 184.74,38.48 189.11,38.48 190.5,39.87 260.99,39.87 262,38.86 265.48,38.86 266.49,39.87 283.99,39.87 285,38.86 289.98,38.86 290.99,39.87 311.94,39.87 314.32,42.25 314.32,44.63 313.93,45.03 LED43.2
Net-(LED44-DOUT): length 27
  Bottom w0.2: LED44.2 37.76,24.48 42.49,24.48 43.51,25.5 45.99,25.5 45.99,25.48 46.99,24.48 LED45.3
Net-(LED45-DOUT): length 14.2
  Bottom w0.2: 80.81,24.48 68.71,24.48 LED45.2
Net-(LED46-DOUT): length 14.2
  Bottom w0.2: LED46.2 87.76,24.48 LED47.3
Net-(LED47-DOUT): length 14.2
  Bottom w0.2: LED48.3 106.81,24.48 LED47.2
Net-(LED48-DOUT): length 14.2
  Bottom w0.2: LED48.2 125.86,24.48 LED49.3
Net-(LED49-DOUT): length 14.2
  Bottom w0.2: LED49.2 144.91,24.48 LED50.3
Net-(LED50-DOUT): length 14.2
  Bottom w0.2: LED51.3 163.96,24.48 LED50.2
Net-(LED51-DOUT): length 14.2
  Bottom w0.2: LED52.3 183.01,24.48 181.51,25.98
Net-(LED52-DOUT): length 14.2
  Bottom w0.2: 214.16,24.48 202.06,24.48 LED52.2
Net-(LED53-DOUT): length 14.2
  Bottom w0.2: LED54.3 221.11,24.48 LED53.2
Net-(LED54-DOUT): length 21.4
  Bottom w0.2: LED54.2 240.16,24.48 LED55.3
Net-(LED55-DOUT): length 21.4
  Bottom w0.2: LED56.3 266.36,24.48 LED55.2
Net-(LED56-DOUT): length 14.2
  Bottom w0.2: LED57.3 292.55,24.48 LED56.2
Net-(LED57-DOUT): length 332.9
  Bottom w0.2: LED58.3 15.39,5.43 11.91,8.91 11.91,16.06 16.67,20.82 18.49,20.82 19.5,19.81 22.48,19.81 23.49,20.82 41.49,20.82 42.5,19.81 46.48,19.81 47.49,20.82 256.24,20.82 257.63,19.43 260.35,19.43 261.74,20.82 311.94,20.82 314.32,23.2 314.32,25.58 313.93,25.98 LED57.2
Net-(LED58-DOUT): length 19
  Bottom w0.2: LED59.3 28.23,5.43 LED58.2
Net-(LED59-DOUT): length 19
  Bottom w0.2: LED60.3 52.04,5.43 LED59.2
Net-(LED60-DOUT): length 67.5
  Bottom w0.2: LED61.3 96.35,5.43 95.25,6.53 89.21,6.53 88.11,5.43 75.86,5.43 LED60.2
Net-(LED61-DOUT): length 65.1
  Bottom w0.2: LED62.3 195.26,5.43 194.16,6.53 190.5,6.53 189.4,5.43 147.29,5.43 LED61.2
Net-(LED62-DOUT): length 14.2
  Bottom w0.2: LED63.3 216.35,5.43 LED62.2
Net-(LED63-DOUT): length 14.2
  Bottom w0.2: LED64.3 235.4,5.43 LED63.2
Net-(LED64-DOUT): length 14.2
  Bottom w0.2: LED64.2 254.45,5.43 LED65.3
Net-(LED65-DOUT): length 14.2
  Bottom w0.2: LED66.3 273.5,5.43 LED65.2
Net-(LED66-DOUT): length 14.2
  Bottom w0.2: LED67.3 292.55,5.43 LED66.2

## Copper pours and planes (outline as drawn; the poured copper is in the pictures)
+5V on Top: -4.76,108.93 354.81,108.93 354.81,-5.37 -4.76,-2.99
GND on Bottom: -7.14,111.31 357.19,111.31 357.19,-7.75 -7.14,-5.37

## Text on the board
B.Silkscreen: built in public @ https://github.com/jpt1729/lp-kbb/ | built & designed by john tan-aristy
F.Silkscreen: v7.23.2025 | TEXAS ENGINEERING
